# KiCad board EOutside.kicad_pcb (continued)
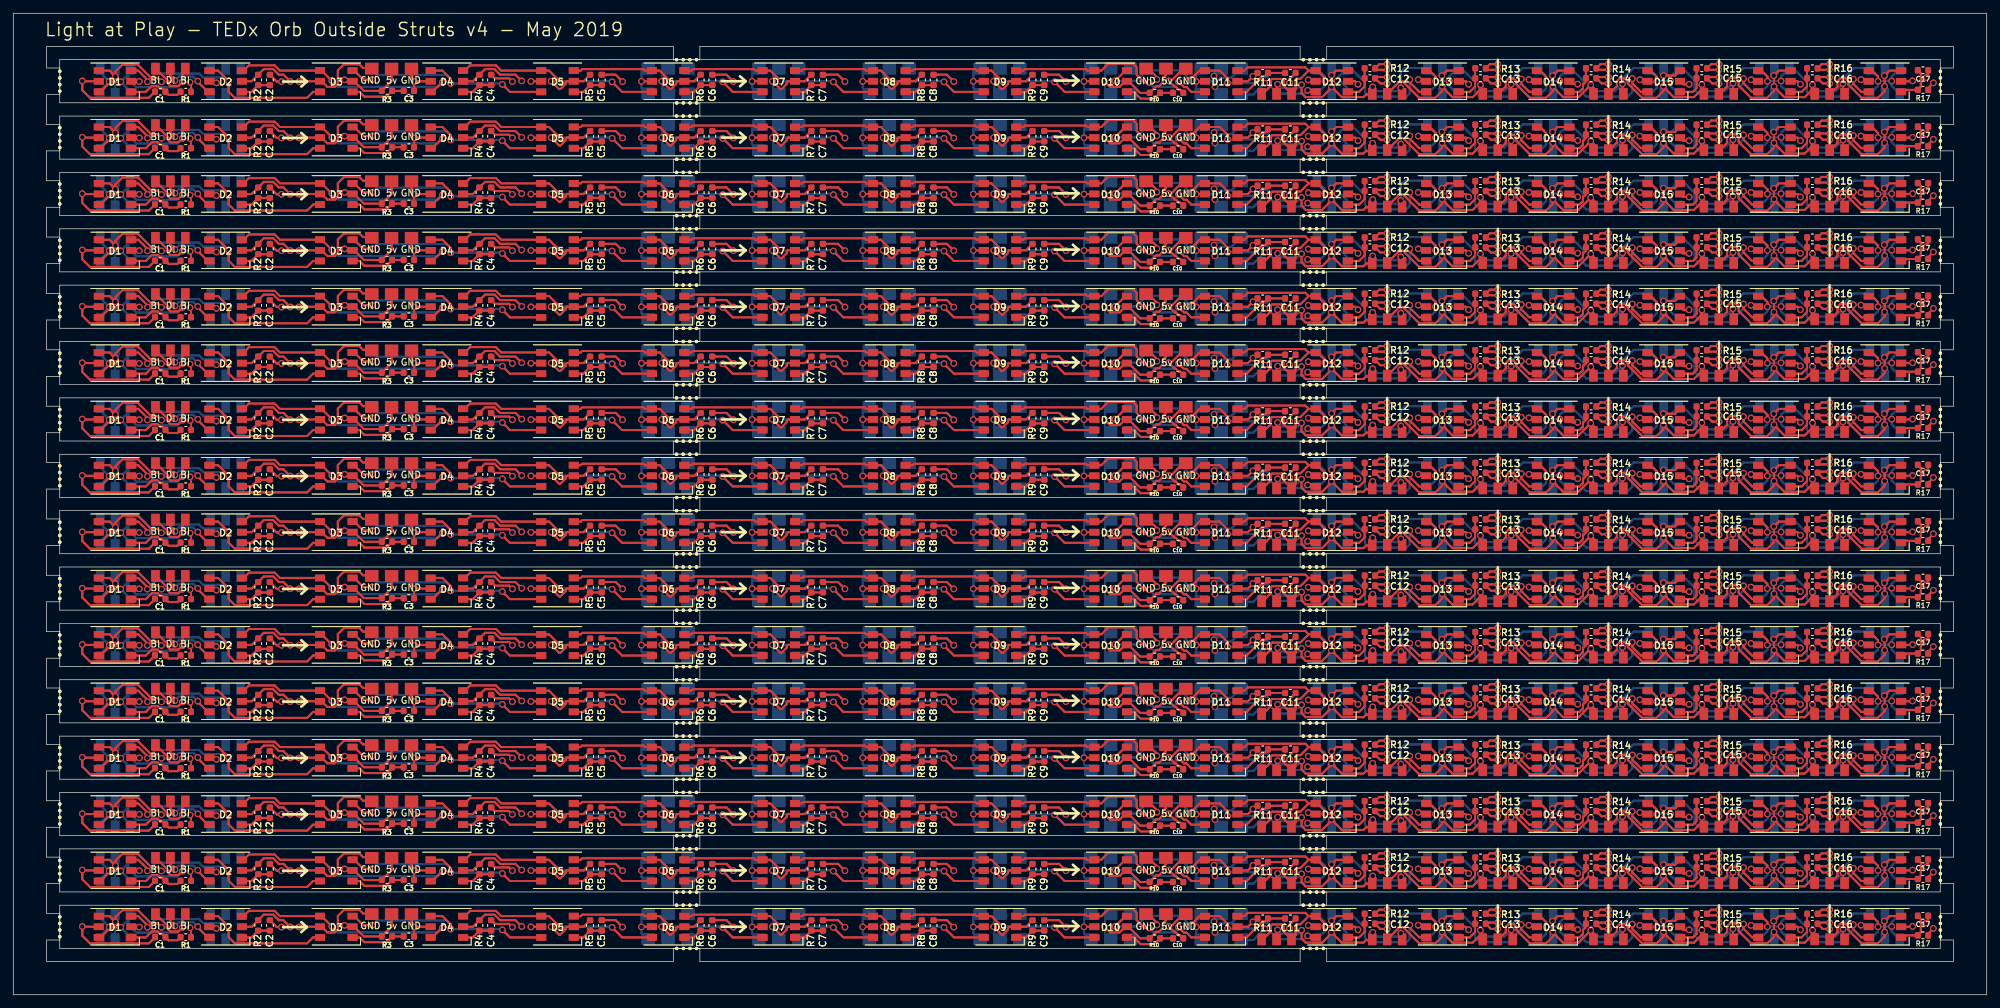
[diagram p0: board, top side]
## Routing (per net, layer and track width the routed paths; a pad name or vN(x,y) marks a point on that pad's centre or on a via; arc(x,y) is an arc through that point) (continued)
Net-(D7-Pad3): length 958.2
  Top w0.3: 140.73,137.15 v1(140.23,137.65) 140.73,137.15 ; 140.73,137.15 141.73,136.15 ; 140.73,137.15 141.73,136.15 ; 141.73,136.15 D9.6 141.73,136.15 ; 118.83,139.35 D7.3 118.83,139.35 ; 118.83,139.35 119.06,139.58 ; 118.83,139.35 119.06,139.58 ; 119.06,139.58 128.28,139.58 ; 119.06,139.58 128.28,139.58 ; 128.28,139.58 128.5,139.35 ; 128.28,139.58 128.5,139.35 ; 128.5,139.35 D8.4 ; 128.5,139.35 D8.4 ; D8.4 130.72,139.35 ; D8.4 130.72,139.35 ; 131.81,138.27 v1(132.31,137.77) 131.81,138.27 ; 131.81,138.27 130.72,139.35 ; 131.81,138.27 130.72,139.35 ; 140.73,128.65 v1(140.23,129.15) 140.73,128.65 ; 140.73,128.65 141.73,127.65 ; 140.73,128.65 141.73,127.65 ; 141.73,127.65 D9#2.6 141.73,127.65 ; 131.81,129.77 v1(132.31,129.27) 131.81,129.77 ; 131.81,129.77 130.72,130.85 ; 131.81,129.77 130.72,130.85 ; 130.72,130.85 D8#2.4 ; 130.72,130.85 D8#2.4 ; D8#2.4 128.5,130.85 ; D8#2.4 128.5,130.85 ; 118.83,130.85 D7#2.3 118.83,130.85 ; 118.83,130.85 119.06,131.08 ; 118.83,130.85 119.06,131.08 ; 119.06,131.08 128.28,131.08 ; 119.06,131.08 128.28,131.08 ; 128.28,131.08 128.5,130.85 ; 128.28,131.08 128.5,130.85 ; 140.73,120.15 v1(140.23,120.65) 140.73,120.15 ; 140.73,120.15 141.73,119.15 ; 140.73,120.15 141.73,119.15 ; 141.73,119.15 D9#3.6 141.73,119.15 ; 131.81,121.27 v1(132.31,120.77) 131.81,121.27 ; 131.81,121.27 130.72,122.35 ; 131.81,121.27 130.72,122.35 ; 130.72,122.35 D8#3.4 ; 130.72,122.35 D8#3.4 ; D8#3.4 128.5,122.35 ; D8#3.4 128.5,122.35 ; 118.83,122.35 D7#3.3 118.83,122.35 ; 118.83,122.35 119.06,122.58 ; 118.83,122.35 119.06,122.58 ; 119.06,122.58 128.28,122.58 ; 119.06,122.58 128.28,122.58 ; 128.28,122.58 128.5,122.35 ; 128.28,122.58 128.5,122.35 ; D8#4.4 128.5,113.85 ; D8#4.4 130.72,113.85 ; D8#4.4 128.5,113.85 ; D8#4.4 130.72,113.85 ; 128.5,113.85 128.28,114.08 ; 128.5,113.85 128.28,114.08 ; 128.28,114.08 119.06,114.08 ; 128.28,114.08 119.06,114.08 ; 119.06,114.08 118.83,113.85 ; 119.06,114.08 118.83,113.85 ; 118.83,113.85 D7#4.3 118.83,113.85 ; 130.72,113.85 131.81,112.77 ; 130.72,113.85 131.81,112.77 ; 131.81,112.77 v1(132.31,112.27) 131.81,112.77 ; 141.73,110.65 D9#4.6 141.73,110.65 ; 141.73,110.65 140.73,111.65 ; 141.73,110.65 140.73,111.65 ; 140.73,111.65 v1(140.23,112.15) 140.73,111.65 ; 140.73,103.15 v1(140.23,103.65) 140.73,103.15 ; 140.73,103.15 141.73,102.15 ; 140.73,103.15 141.73,102.15 ; 141.73,102.15 D9#11.6 141.73,102.15 ; 131.81,104.27 v1(132.31,103.77) 131.81,104.27 ; 131.81,104.27 130.72,105.35 ; 131.81,104.27 130.72,105.35 ; 130.72,105.35 D8#13.4 ; 130.72,105.35 D8#13.4 ; D8#13.4 128.5,105.35 ; D8#13.4 128.5,105.35 ; 118.83,105.35 D7#13.3 118.83,105.35 ; 118.83,105.35 119.06,105.58 ; 118.83,105.35 119.06,105.58 ; 119.06,105.58 128.28,105.58 ; 119.06,105.58 128.28,105.58 ; 128.28,105.58 128.5,105.35 ; 128.28,105.58 128.5,105.35 ; D8#15.4 128.5,96.85 ; D8#15.4 130.72,96.85 ; D8#15.4 128.5,96.85 ; D8#15.4 130.72,96.85 ; 128.5,96.85 128.28,97.08 ; 128.5,96.85 128.28,97.08 ; 128.28,97.08 119.06,97.08 ; 128.28,97.08 119.06,97.08 ; 119.06,97.08 118.83,96.85 ; 119.06,97.08 118.83,96.85 ; 118.83,96.85 D7#15.3 118.83,96.85 ; 130.72,96.85 131.81,95.77 ; 130.72,96.85 131.81,95.77 ; 131.81,95.77 v1(132.31,95.27) 131.81,95.77 ; 141.73,93.65 D9#14.6 141.73,93.65 ; 141.73,93.65 140.73,94.65 ; 141.73,93.65 140.73,94.65 ; 140.73,94.65 v1(140.23,95.15) 140.73,94.65 ; D8#10.4 128.5,79.85 ; D8#10.4 130.72,79.85 ; D8#10.4 128.5,79.85 ; D8#10.4 130.72,79.85 ; 128.5,79.85 128.28,80.08 ; 128.5,79.85 128.28,80.08 ; 128.28,80.08 119.06,80.08 ; 128.28,80.08 119.06,80.08 ; 119.06,80.08 118.83,79.85 ; 119.06,80.08 118.83,79.85 ; 118.83,79.85 D7#10.3 118.83,79.85 ; 130.72,79.85 131.81,78.77 ; 130.72,79.85 131.81,78.77 ; 131.81,78.77 v1(132.31,78.27) 131.81,78.77 ; 141.73,76.65 D9#12.6 141.73,76.65 ; 141.73,76.65 140.73,77.65 ; 141.73,76.65 140.73,77.65 ; 140.73,77.65 v1(140.23,78.15) 140.73,77.65 ; 140.73,86.15 v1(140.23,86.65) 140.73,86.15 ; 140.73,86.15 141.73,85.15 ; 140.73,86.15 141.73,85.15 ; 141.73,85.15 D9#9.6 141.73,85.15 ; 131.81,87.27 v1(132.31,86.77) 131.81,87.27 ; 131.81,87.27 130.72,88.35 ; 131.81,87.27 130.72,88.35 ; 130.72,88.35 D8#9.4 ; 130.72,88.35 D8#9.4 ; D8#9.4 128.5,88.35 ; D8#9.4 128.5,88.35 ; 118.83,88.35 D7#9.3 118.83,88.35 ; 118.83,88.35 119.06,88.58 ; 118.83,88.35 119.06,88.58 ; 119.06,88.58 128.28,88.58 ; 119.06,88.58 128.28,88.58 ; 128.28,88.58 128.5,88.35 ; 128.28,88.58 128.5,88.35 ; 140.73,69.15 v1(140.23,69.65) 140.73,69.15 ; 140.73,69.15 141.73,68.15 ; 140.73,69.15 141.73,68.15 ; 141.73,68.15 D9#17.6 141.73,68.15 ; 131.81,70.27 v1(132.31,69.77) 131.81,70.27 ; 131.81,70.27 130.72,71.35 ; 131.81,70.27 130.72,71.35 ; 130.72,71.35 D8#17.4 ; 130.72,71.35 D8#17.4 ; D8#17.4 128.5,71.35 ; D8#17.4 128.5,71.35 ; 118.83,71.35 D7#17.3 118.83,71.35 ; 118.83,71.35 119.06,71.58 ; 118.83,71.35 119.06,71.58 ; 119.06,71.58 128.28,71.58 ; 119.06,71.58 128.28,71.58 ; 128.28,71.58 128.5,71.35 ; 128.28,71.58 128.5,71.35 ; D8#21.4 128.5,62.85 ; D8#21.4 130.72,62.85 ; D8#21.4 128.5,62.85 ; D8#21.4 130.72,62.85 ; 128.5,62.85 128.28,63.08 ; 128.5,62.85 128.28,63.08 ; 128.28,63.08 119.06,63.08 ; 128.28,63.08 119.06,63.08 ; 119.06,63.08 118.83,62.85 ; 119.06,63.08 118.83,62.85 ; 118.83,62.85 D7#21.3 118.83,62.85 ; 130.72,62.85 131.81,61.77 ; 130.72,62.85 131.81,61.77 ; 131.81,61.77 v1(132.31,61.27) 131.81,61.77 ; 141.73,59.65 D9#21.6 141.73,59.65 ; 141.73,59.65 140.73,60.65 ; 141.73,59.65 140.73,60.65 ; 140.73,60.65 v1(140.23,61.15) 140.73,60.65 ; D8#19.4 128.5,45.85 ; D8#19.4 130.72,45.85 ; D8#19.4 128.5,45.85 ; D8#19.4 130.72,45.85 ; 128.5,45.85 128.28,46.08 ; 128.5,45.85 128.28,46.08 ; 128.28,46.08 119.06,46.08 ; 128.28,46.08 119.06,46.08 ; 119.06,46.08 118.83,45.85 ; 119.06,46.08 118.83,45.85 ; 118.83,45.85 D7#18.3 118.83,45.85 ; 130.72,45.85 131.81,44.77 ; 130.72,45.85 131.81,44.77 ; 131.81,44.77 v1(132.31,44.27) 131.81,44.77 ; 141.73,42.65 D9#19.6 141.73,42.65 ; 141.73,42.65 140.73,43.65 ; 141.73,42.65 140.73,43.65 ; 140.73,43.65 v1(140.23,44.15) 140.73,43.65 ; 140.73,52.15 v1(140.23,52.65) 140.73,52.15 ; 140.73,52.15 141.73,51.15 ; 140.73,52.15 141.73,51.15 ; 141.73,51.15 D9#18.6 141.73,51.15 ; 131.81,53.27 v1(132.31,52.77) 131.81,53.27 ; 131.81,53.27 130.72,54.35 ; 131.81,53.27 130.72,54.35 ; 130.72,54.35 D8#18.4 ; 130.72,54.35 D8#18.4 ; D8#18.4 128.5,54.35 ; D8#18.4 128.5,54.35 ; 118.83,54.35 D7#22.3 118.83,54.35 ; 118.83,54.35 119.06,54.58 ; 118.83,54.35 119.06,54.58 ; 119.06,54.58 128.28,54.58 ; 119.06,54.58 128.28,54.58 ; 128.28,54.58 128.5,54.35 ; 128.28,54.58 128.5,54.35 ; D8#25.4 128.5,28.85 ; D8#25.4 130.72,28.85 ; D8#25.4 128.5,28.85 ; D8#25.4 130.72,28.85 ; 128.5,28.85 128.28,29.08 ; 128.5,28.85 128.28,29.08 ; 128.28,29.08 119.06,29.08 ; 128.28,29.08 119.06,29.08 ; 119.06,29.08 118.83,28.85 ; 119.06,29.08 118.83,28.85 ; 118.83,28.85 D7#28.3 118.83,28.85 ; 130.72,28.85 131.81,27.77 ; 130.72,28.85 131.81,27.77 ; 131.81,27.77 v1(132.31,27.27) 131.81,27.77 ; 141.73,25.65 D9#28.6 141.73,25.65 ; 141.73,25.65 140.73,26.65 ; 141.73,25.65 140.73,26.65 ; 140.73,26.65 v1(140.23,27.15) 140.73,26.65 ; 140.73,35.15 v1(140.23,35.65) 140.73,35.15 ; 140.73,35.15 141.73,34.15 ; 140.73,35.15 141.73,34.15 ; 141.73,34.15 D9#25.6 141.73,34.15 ; 131.81,36.27 v1(132.31,35.77) 131.81,36.27 ; 131.81,36.27 130.72,37.35 ; 131.81,36.27 130.72,37.35 ; 130.72,37.35 D8#27.4 ; 130.72,37.35 D8#27.4 ; D8#27.4 128.5,37.35 ; D8#27.4 128.5,37.35 ; 118.83,37.35 D7#25.3 118.83,37.35 ; 118.83,37.35 119.06,37.58 ; 118.83,37.35 119.06,37.58 ; 119.06,37.58 128.28,37.58 ; 119.06,37.58 128.28,37.58 ; 128.28,37.58 128.5,37.35 ; 128.28,37.58 128.5,37.35 ; 140.73,18.15 v1(140.23,18.65) 140.73,18.15 ; 140.73,18.15 141.73,17.15 ; 140.73,18.15 141.73,17.15 ; 141.73,17.15 D9#29.6 141.73,17.15 ; 131.81,19.27 v1(132.31,18.77) 131.81,19.27 ; 131.81,19.27 130.72,20.35 ; 131.81,19.27 130.72,20.35 ; 130.72,20.35 D8#26.4 ; 130.72,20.35 D8#26.4 ; D8#26.4 128.5,20.35 ; D8#26.4 128.5,20.35 ; 118.83,20.35 D7#29.3 118.83,20.35 ; 118.83,20.35 119.06,20.58 ; 118.83,20.35 119.06,20.58 ; 119.06,20.58 128.28,20.58 ; 119.06,20.58 128.28,20.58 ; 128.28,20.58 128.5,20.35 ; 128.28,20.58 128.5,20.35 ; D8#28.4 128.5,11.85 ; D8#28.4 130.72,11.85 ; D8#28.4 128.5,11.85 ; D8#28.4 130.72,11.85 ; 128.5,11.85 128.28,12.08 ; 128.5,11.85 128.28,12.08 ; 128.28,12.08 119.06,12.08 ; 128.28,12.08 119.06,12.08 ; 119.06,12.08 118.83,11.85 ; 119.06,12.08 118.83,11.85 ; 118.83,11.85 D7#27.3 118.83,11.85 ; 130.72,11.85 131.81,10.77 ; 130.72,11.85 131.81,10.77 ; 131.81,10.77 v1(132.31,10.27) 131.81,10.77 ; 141.73,8.65 D9#26.6 141.73,8.65 ; 141.73,8.65 140.73,9.65 ; 141.73,8.65 140.73,9.65 ; 140.73,9.65 v1(140.23,10.15) 140.73,9.65
  Bottom w0.3: 140.11,137.77 v1(140.23,137.65) 140.11,137.77 ; 140.11,137.77 v1(132.31,137.77) 140.11,137.77 ; 140.11,129.27 v1(140.23,129.15) 140.11,129.27 ; 140.11,129.27 v1(132.31,129.27) 140.11,129.27 ; 140.11,120.77 v1(140.23,120.65) 140.11,120.77 ; 140.11,120.77 v1(132.31,120.77) 140.11,120.77 ; 140.11,112.27 v1(132.31,112.27) 140.11,112.27 ; 140.11,112.27 v1(140.23,112.15) 140.11,112.27 ; 140.11,103.77 v1(140.23,103.65) 140.11,103.77 ; 140.11,103.77 v1(132.31,103.77) 140.11,103.77 ; 140.11,95.27 v1(132.31,95.27) 140.11,95.27 ; 140.11,95.27 v1(140.23,95.15) 140.11,95.27 ; 140.11,78.27 v1(132.31,78.27) 140.11,78.27 ; 140.11,78.27 v1(140.23,78.15) 140.11,78.27 ; 140.11,86.77 v1(140.23,86.65) 140.11,86.77 ; 140.11,86.77 v1(132.31,86.77) 140.11,86.77 ; 140.11,69.77 v1(140.23,69.65) 140.11,69.77 ; 140.11,69.77 v1(132.31,69.77) 140.11,69.77 ; 140.11,61.27 v1(132.31,61.27) 140.11,61.27 ; 140.11,61.27 v1(140.23,61.15) 140.11,61.27 ; 140.11,44.27 v1(132.31,44.27) 140.11,44.27 ; 140.11,44.27 v1(140.23,44.15) 140.11,44.27 ; 140.11,52.77 v1(140.23,52.65) 140.11,52.77 ; 140.11,52.77 v1(132.31,52.77) 140.11,52.77 ; 140.11,27.27 v1(132.31,27.27) 140.11,27.27 ; 140.11,27.27 v1(140.23,27.15) 140.11,27.27 ; 140.11,35.77 v1(140.23,35.65) 140.11,35.77 ; 140.11,35.77 v1(132.31,35.77) 140.11,35.77 ; 140.11,18.77 v1(140.23,18.65) 140.11,18.77 ; 140.11,18.77 v1(132.31,18.77) 140.11,18.77 ; 140.11,10.27 v1(132.31,10.27) 140.11,10.27 ; 140.11,10.27 v1(140.23,10.15) 140.11,10.27
Net-(D10-Pad3): length 1234.1
  Top w0.3: 167.55,130.85 D10#2.3 167.55,130.85 ; 167.55,130.85 v1(166,129.3) 167.55,130.85 ; 195.17,127.65 195.02,127.79 ; 195.17,127.65 D12#2.6 195.17,127.65 ; 195.17,127.65 195.02,127.79 ; 195.02,127.79 v1(195.02,127.88) 195.02,127.79 ; 177.76,129.88 177.42,129.88 ; 177.76,129.88 178.74,130.85 ; 177.76,129.88 178.74,130.85 ; 177.76,129.88 177.42,129.88 ; 177.42,129.88 v1(176.82,129.27) 177.42,129.88 ; 178.74,130.85 D11#2.4 ; 178.74,130.85 D11#2.4 ; D11#2.4 181.78,130.85 ; D11#2.4 181.78,130.85 ; 181.78,130.85 182.95,129.68 ; 181.78,130.85 182.95,129.68 ; 182.95,129.68 v1(182.95,128.97) 182.95,129.68 ; 167.55,122.35 D10#3.3 167.55,122.35 ; 167.55,122.35 v1(166,120.8) 167.55,122.35 ; 195.17,119.15 195.02,119.29 ; 195.17,119.15 D12#3.6 195.17,119.15 ; 195.17,119.15 195.02,119.29 ; 195.02,119.29 v1(195.02,119.38) 195.02,119.29 ; 177.76,121.38 177.42,121.38 ; 177.76,121.38 178.74,122.35 ; 177.76,121.38 177.42,121.38 ; 177.76,121.38 178.74,122.35 ; 177.42,121.38 v1(176.82,120.77) 177.42,121.38 ; 178.74,122.35 D11#3.4 ; 178.74,122.35 D11#3.4 ; D11#3.4 181.78,122.35 ; D11#3.4 181.78,122.35 ; 181.78,122.35 182.95,121.18 ; 181.78,122.35 182.95,121.18 ; 182.95,121.18 v1(182.95,120.47) 182.95,121.18 ; 182.95,112.68 v1(182.95,111.97) 182.95,112.68 ; 182.95,112.68 181.78,113.85 ; 182.95,112.68 181.78,113.85 ; D11#4.4 181.78,113.85 ; D11#4.4 178.74,113.85 ; D11#4.4 181.78,113.85 ; D11#4.4 178.74,113.85 ; 177.42,112.88 v1(176.82,112.27) 177.42,112.88 ; 177.42,112.88 177.76,112.88 ; 177.42,112.88 177.76,112.88 ; 178.74,113.85 177.76,112.88 ; 178.74,113.85 177.76,112.88 ; 195.17,110.65 D12#4.6 195.17,110.65 ; 195.17,110.65 195.02,110.79 ; 195.17,110.65 195.02,110.79 ; 195.02,110.79 v1(195.02,110.88) 195.02,110.79 ; 167.55,113.85 v1(166,112.3) 167.55,113.85 ; 167.55,113.85 D10#4.3 167.55,113.85 ; 167.55,139.35 D10.3 167.55,139.35 ; 167.55,139.35 v1(166,137.8) 167.55,139.35 ; 195.17,136.15 195.02,136.29 ; 195.17,136.15 D12.6 195.17,136.15 ; 195.17,136.15 195.02,136.29 ; 195.02,136.29 v1(195.02,136.38) 195.02,136.29 ; 177.76,138.38 177.42,138.38 ; 177.76,138.38 178.74,139.35 ; 177.76,138.38 177.42,138.38 ; 177.76,138.38 178.74,139.35 ; 177.42,138.38 v1(176.82,137.77) 177.42,138.38 ; 178.74,139.35 D11.4 ; 178.74,139.35 D11.4 ; D11.4 181.78,139.35 ; D11.4 181.78,139.35 ; 181.78,139.35 182.95,138.18 ; 181.78,139.35 182.95,138.18 ; 182.95,138.18 v1(182.95,137.47) 182.95,138.18 ; 167.55,105.35 D10#13.3 167.55,105.35 ; 167.55,105.35 v1(166,103.8) 167.55,105.35 ; 195.17,102.15 195.02,102.29 ; 195.17,102.15 D12#11.6 195.17,102.15 ; 195.17,102.15 195.02,102.29 ; 195.02,102.29 v1(195.02,102.38) 195.02,102.29 ; 177.76,104.38 177.42,104.38 ; 177.76,104.38 178.74,105.35 ; 177.76,104.38 177.42,104.38 ; 177.76,104.38 178.74,105.35 ; 177.42,104.38 v1(176.82,103.77) 177.42,104.38 ; 178.74,105.35 D11#11.4 ; 178.74,105.35 D11#11.4 ; D11#11.4 181.78,105.35 ; D11#11.4 181.78,105.35 ; 181.78,105.35 182.95,104.18 ; 181.78,105.35 182.95,104.18 ; 182.95,104.18 v1(182.95,103.47) 182.95,104.18 ; 182.95,95.68 v1(182.95,94.97) 182.95,95.68 ; 182.95,95.68 181.78,96.85 ; 182.95,95.68 181.78,96.85 ; D11#15.4 181.78,96.85 ; D11#15.4 178.74,96.85 ; D11#15.4 181.78,96.85 ; D11#15.4 178.74,96.85 ; 177.42,95.88 v1(176.82,95.27) 177.42,95.88 ; 177.42,95.88 177.76,95.88 ; 177.42,95.88 177.76,95.88 ; 178.74,96.85 177.76,95.88 ; 178.74,96.85 177.76,95.88 ; 195.17,93.65 D12#15.6 195.17,93.65 ; 195.17,93.65 195.02,93.79 ; 195.17,93.65 195.02,93.79 ; 195.02,93.79 v1(195.02,93.88) 195.02,93.79 ; 167.55,96.85 v1(166,95.3) 167.55,96.85 ; 167.55,96.85 D10#15.3 167.55,96.85 ; 195.17,76.65 D12#13.6 195.17,76.65 ; 195.17,76.65 195.02,76.79 ; 195.17,76.65 195.02,76.79 ; 195.02,76.79 v1(195.02,76.88) 195.02,76.79 ; 167.55,79.85 v1(166,78.3) 167.55,79.85 ; 167.55,79.85 D10#10.3 167.55,79.85 ; 182.95,78.68 v1(182.95,77.97) 182.95,78.68 ; 182.95,78.68 181.78,79.85 ; 182.95,78.68 181.78,79.85 ; D11#13.4 181.78,79.85 ; D11#13.4 178.74,79.85 ; D11#13.4 181.78,79.85 ; D11#13.4 178.74,79.85 ; 177.42,78.88 v1(176.82,78.27) 177.42,78.88 ; 177.42,78.88 177.76,78.88 ; 177.42,78.88 177.76,78.88 ; 178.74,79.85 177.76,78.88 ; 178.74,79.85 177.76,78.88 ; 177.76,87.38 177.42,87.38 ; 177.76,87.38 178.74,88.35 ; 177.76,87.38 178.74,88.35 ; 177.76,87.38 177.42,87.38 ; 177.42,87.38 v1(176.82,86.77) 177.42,87.38 ; 178.74,88.35 D11#9.4 ; 178.74,88.35 D11#9.4 ; D11#9.4 181.78,88.35 ; D11#9.4 181.78,88.35 ; 181.78,88.35 182.95,87.18 ; 181.78,88.35 182.95,87.18 ; 182.95,87.18 v1(182.95,86.47) 182.95,87.18 ; 167.55,88.35 D10#9.3 167.55,88.35 ; 167.55,88.35 v1(166,86.8) 167.55,88.35 ; 195.17,85.15 195.02,85.29 ; 195.17,85.15 D12#9.6 195.17,85.15 ; 195.17,85.15 195.02,85.29 ; 195.02,85.29 v1(195.02,85.38) 195.02,85.29 ; 177.76,70.38 177.42,70.38 ; 177.76,70.38 178.74,71.35 ; 177.76,70.38 177.42,70.38 ; 177.76,70.38 178.74,71.35 ; 177.42,70.38 v1(176.82,69.77) 177.42,70.38 ; 178.74,71.35 D11#17.4 ; 178.74,71.35 D11#17.4 ; D11#17.4 181.78,71.35 ; D11#17.4 181.78,71.35 ; 181.78,71.35 182.95,70.18 ; 181.78,71.35 182.95,70.18 ; 182.95,70.18 v1(182.95,69.47) 182.95,70.18 ; 167.55,71.35 D10#17.3 167.55,71.35 ; 167.55,71.35 v1(166,69.8) 167.55,71.35 ; 195.17,68.15 195.02,68.29 ; 195.17,68.15 D12#17.6 195.17,68.15 ; 195.17,68.15 195.02,68.29 ; 195.02,68.29 v1(195.02,68.38) 195.02,68.29 ; 182.95,61.68 v1(182.95,60.97) 182.95,61.68 ; 182.95,61.68 181.78,62.85 ; 182.95,61.68 181.78,62.85 ; 195.17,59.65 D12#21.6 195.17,59.65 ; 195.17,59.65 195.02,59.79 ; 195.17,59.65 195.02,59.79 ; 195.02,59.79 v1(195.02,59.88) 195.02,59.79 ; 167.55,62.85 v1(166,61.3) 167.55,62.85 ; 167.55,62.85 D10#22.3 167.55,62.85 ; D11#19.4 181.78,62.85 ; D11#19.4 178.74,62.85 ; D11#19.4 181.78,62.85 ; D11#19.4 178.74,62.85 ; 177.42,61.88 v1(176.82,61.27) 177.42,61.88 ; 177.42,61.88 177.76,61.88 ; 177.42,61.88 177.76,61.88 ; 178.74,62.85 177.76,61.88 ; 178.74,62.85 177.76,61.88 ; 195.17,42.65 D12#23.6 195.17,42.65 ; 195.17,42.65 195.02,42.79 ; 195.17,42.65 195.02,42.79 ; 195.02,42.79 v1(195.02,42.88) 195.02,42.79 ; 167.55,45.85 v1(166,44.3) 167.55,45.85 ; 167.55,45.85 D10#19.3 167.55,45.85 ; 182.95,44.68 v1(182.95,43.97) 182.95,44.68 ; 182.95,44.68 181.78,45.85 ; 182.95,44.68 181.78,45.85 ; D11#21.4 181.78,45.85 ; D11#21.4 178.74,45.85 ; D11#21.4 181.78,45.85 ; D11#21.4 178.74,45.85 ; 177.42,44.88 v1(176.82,44.27) 177.42,44.88 ; 177.42,44.88 177.76,44.88 ; 177.42,44.88 177.76,44.88 ; 178.74,45.85 177.76,44.88 ; 178.74,45.85 177.76,44.88 ; 177.76,53.38 177.42,53.38 ; 177.76,53.38 178.74,54.35 ; 177.76,53.38 178.74,54.35 ; 177.76,53.38 177.42,53.38 ; 177.42,53.38 v1(176.82,52.77) 177.42,53.38 ; 178.74,54.35 D11#20.4 ; 178.74,54.35 D11#20.4 ; D11#20.4 181.78,54.35 ; D11#20.4 181.78,54.35 ; 181.78,54.35 182.95,53.18 ; 181.78,54.35 182.95,53.18 ; 182.95,53.18 v1(182.95,52.47) 182.95,53.18 ; 167.55,54.35 D10#18.3 167.55,54.35 ; 167.55,54.35 v1(166,52.8) 167.55,54.35 ; 195.17,51.15 195.02,51.29 ; 195.17,51.15 D12#18.6 195.17,51.15 ; 195.17,51.15 195.02,51.29 ; 195.02,51.29 v1(195.02,51.38) 195.02,51.29 ; D11#27.4 181.78,28.85 ; D11#27.4 178.74,28.85 ; D11#27.4 181.78,28.85 ; D11#27.4 178.74,28.85 ; 181.78,28.85 182.95,27.68 ; 181.78,28.85 182.95,27.68 ; 182.95,27.68 v1(182.95,26.97) 182.95,27.68 ; 177.42,27.88 v1(176.82,27.27) 177.42,27.88 ; 177.42,27.88 177.76,27.88 ; 177.42,27.88 177.76,27.88 ; 178.74,28.85 177.76,27.88 ; 178.74,28.85 177.76,27.88 ; 195.17,25.65 D12#28.6 195.17,25.65 ; 195.17,25.65 195.02,25.79 ; 195.17,25.65 195.02,25.79 ; 195.02,25.79 v1(195.02,25.88) 195.02,25.79 ; 167.55,28.85 v1(166,27.3) 167.55,28.85 ; 167.55,28.85 D10#29.3 167.55,28.85 ; 195.17,34.15 195.02,34.29 ; 195.17,34.15 D12#27.6 195.17,34.15 ; 195.17,34.15 195.02,34.29 ; 195.02,34.29 v1(195.02,34.38) 195.02,34.29 ; 181.78,37.35 182.95,36.18 ; 181.78,37.35 D11#25.4 ; 181.78,37.35 182.95,36.18 ; 181.78,37.35 D11#25.4 ; 182.95,36.18 v1(182.95,35.47) 182.95,36.18 ; D11#25.4 178.74,37.35 ; D11#25.4 178.74,37.35 ; 167.55,37.35 D10#25.3 167.55,37.35 ; 167.55,37.35 v1(166,35.8) 167.55,37.35 ; 177.76,36.38 177.42,36.38 ; 177.76,36.38 178.74,37.35 ; 177.76,36.38 177.42,36.38 ; 177.76,36.38 178.74,37.35 ; 177.42,36.38 v1(176.82,35.77) 177.42,36.38 ; 182.95,10.68 v1(182.95,9.97) 182.95,10.68 ; 182.95,10.68 181.78,11.85 ; 182.95,10.68 181.78,11.85 ; D11#29.4 181.78,11.85 ; D11#29.4 178.74,11.85 ; D11#29.4 181.78,11.85 ; D11#29.4 178.74,11.85 ; 177.42,10.88 v1(176.82,10.27) 177.42,10.88 ; 177.42,10.88 177.76,10.88 ; 177.42,10.88 177.76,10.88 ; 178.74,11.85 177.76,10.88 ; 178.74,11.85 177.76,10.88 ; 177.76,19.38 177.42,19.38 ; 177.76,19.38 178.74,20.35 ; 177.76,19.38 178.74,20.35 ; 177.76,19.38 177.42,19.38 ; 177.42,19.38 v1(176.82,18.77) 177.42,19.38 ; 178.74,20.35 D11#28.4 ; 178.74,20.35 D11#28.4 ; D11#28.4 181.78,20.35 ; D11#28.4 181.78,20.35 ; 181.78,20.35 182.95,19.18 ; 181.78,20.35 182.95,19.18 ; 182.95,19.18 v1(182.95,18.47) 182.95,19.18 ; 167.55,20.35 D10#30.3 167.55,20.35 ; 167.55,20.35 v1(166,18.8) 167.55,20.35 ; 195.17,17.15 195.02,17.29 ; 195.17,17.15 D12#25.6 195.17,17.15 ; 195.17,17.15 195.02,17.29 ; 195.02,17.29 v1(195.02,17.38) 195.02,17.29 ; 195.17,8.65 D12#31.6 195.17,8.65 ; 195.17,8.65 195.02,8.79 ; 195.17,8.65 195.02,8.79 ; 195.02,8.79 v1(195.02,8.88) 195.02,8.79 ; 167.55,11.85 v1(166,10.3) 167.55,11.85 ; 167.55,11.85 D10#26.3 167.55,11.85
  Bottom w0.3: 168.9,129.3 v1(166,129.3) 168.9,129.3 ; 168.9,129.3 169.2,129.3 ; 168.9,129.3 169.2,129.3 ; 176.82,129.98 v1(176.82,129.27) 176.82,129.98 ; 176.82,129.98 175.9,130.9 ; 176.82,129.98 175.9,130.9 ; 170.8,130.9 169.2,129.3 ; 170.8,130.9 175.9,130.9 ; 170.8,130.9 175.9,130.9 ; 170.8,130.9 169.2,129.3 ; 194.52,127.38 v1(195.02,127.88) 194.52,127.38 ; 194.52,127.38 190.52,127.38 ; 194.52,127.38 190.52,127.38 ; 190.52,127.38 189.44,128.46 ; 190.52,127.38 189.44,128.46 ; 189.44,128.46 189.44,129.39 ; 189.44,128.46 189.44,129.39 ; 189.44,129.39 188.93,129.9 ; 189.44,129.39 188.93,129.9 ; 188.93,129.9 188.07,129.9 ; 188.93,129.9 188.07,129.9 ; 188.07,129.9 187.14,128.97 ; 188.07,129.9 187.14,128.97 ; 187.14,128.97 183.66,128.97 ; 187.14,128.97 183.66,128.97 ; 183.66,128.97 v1(182.95,128.97) 183.66,128.97 ; 168.9,120.8 v1(166,120.8) 168.9,120.8 ; 168.9,120.8 169.2,120.8 ; 168.9,120.8 169.2,120.8 ; 176.82,121.48 v1(176.82,120.77) 176.82,121.48 ; 176.82,121.48 175.9,122.4 ; 176.82,121.48 175.9,122.4 ; 170.8,122.4 169.2,120.8 ; 170.8,122.4 175.9,122.4 ; 170.8,122.4 169.2,120.8 ; 170.8,122.4 175.9,122.4 ; 194.52,118.88 v1(195.02,119.38) 194.52,118.88 ; 194.52,118.88 190.52,118.88 ; 194.52,118.88 190.52,118.88 ; 190.52,118.88 189.44,119.96 ; 190.52,118.88 189.44,119.96 ; 189.44,119.96 189.44,120.89 ; 189.44,119.96 189.44,120.89 ; 189.44,120.89 188.93,121.4 ; 189.44,120.89 188.93,121.4 ; 188.93,121.4 188.07,121.4 ; 188.93,121.4 188.07,121.4 ; 188.07,121.4 187.14,120.47 ; 188.07,121.4 187.14,120.47 ; 187.14,120.47 183.66,120.47 ; 187.14,120.47 183.66,120.47 ; 183.66,120.47 v1(182.95,120.47) 183.66,120.47 ; 183.66,111.97 v1(182.95,111.97) 183.66,111.97 ; 183.66,111.97 187.14,111.97 ; 183.66,111.97 187.14,111.97 ; 187.14,111.97 188.07,112.9 ; 187.14,111.97 188.07,112.9 ; 188.07,112.9 188.93,112.9 ; 188.07,112.9 188.93,112.9 ; 189.44,112.39 188.93,112.9 ; 189.44,112.39 189.44,111.46 ; 189.44,112.39 188.93,112.9 ; 189.44,112.39 189.44,111.46 ; 189.44,111.46 190.52,110.38 ; 189.44,111.46 190.52,110.38 ; 194.52,110.38 190.52,110.38 ; 194.52,110.38 v1(195.02,110.88) 194.52,110.38 ; 194.52,110.38 190.52,110.38 ; 176.82,112.98 175.9,113.9 ; 176.82,112.98 v1(176.82,112.27) 176.82,112.98 ; 176.82,112.98 175.9,113.9 ; 175.9,113.9 170.8,113.9 ; 175.9,113.9 170.8,113.9 ; 170.8,113.9 169.2,112.3 ; 170.8,113.9 169.2,112.3 ; 169.2,112.3 168.9,112.3 ; 169.2,112.3 168.9,112.3 ; 168.9,112.3 v1(166,112.3) 168.9,112.3 ; 168.9,137.8 v1(166,137.8) 168.9,137.8 ; 168.9,137.8 169.2,137.8 ; 168.9,137.8 169.2,137.8 ; 176.82,138.48 v1(176.82,137.77) 176.82,138.48 ; 176.82,138.48 175.9,139.4 ; 176.82,138.48 175.9,139.4 ; 170.8,139.4 169.2,137.8 ; 170.8,139.4 175.9,139.4 ; 170.8,139.4 175.9,139.4 ; 170.8,139.4 169.2,137.8 ; 194.52,135.88 v1(195.02,136.38) 194.52,135.88 ; 194.52,135.88 190.52,135.88 ; 194.52,135.88 190.52,135.88 ; 190.52,135.88 189.44,136.96 ; 190.52,135.88 189.44,136.96 ; 189.44,136.96 189.44,137.89 ; 189.44,136.96 189.44,137.89 ; 189.44,137.89 188.93,138.4 ; 189.44,137.89 188.93,138.4 ; 188.93,138.4 188.07,138.4 ; 188.93,138.4 188.07,138.4 ; 188.07,138.4 187.14,137.47 ; 188.07,138.4 187.14,137.47 ; 187.14,137.47 183.66,137.47 ; 187.14,137.47 183.66,137.47 ; 183.66,137.47 v1(182.95,137.47) 183.66,137.47 ; 168.9,103.8 v1(166,103.8) 168.9,103.8 ; 168.9,103.8 169.2,103.8 ; 168.9,103.8 169.2,103.8 ; 176.82,104.48 v1(176.82,103.77) 176.82,104.48 ; 176.82,104.48 175.9,105.4 ; 176.82,104.48 175.9,105.4 ; 170.8,105.4 169.2,103.8 ; 170.8,105.4 175.9,105.4 ; 170.8,105.4 169.2,103.8 ; 170.8,105.4 175.9,105.4 ; 194.52,101.88 v1(195.02,102.38) 194.52,101.88 ; 194.52,101.88 190.52,101.88 ; 194.52,101.88 190.52,101.88 ; 190.52,101.88 189.44,102.96 ; 190.52,101.88 189.44,102.96 ; 189.44,102.96 189.44,103.89 ; 189.44,102.96 189.44,103.89 ; 189.44,103.89 188.93,104.4 ; 189.44,103.89 188.93,104.4 ; 188.93,104.4 188.07,104.4 ; 188.93,104.4 188.07,104.4 ; 188.07,104.4 187.14,103.47 ; 188.07,104.4 187.14,103.47 ; 187.14,103.47 183.66,103.47 ; 187.14,103.47 183.66,103.47 ; 183.66,103.47 v1(182.95,103.47) 183.66,103.47 ; 183.66,94.97 v1(182.95,94.97) 183.66,94.97 ; 183.66,94.97 187.14,94.97 ; 183.66,94.97 187.14,94.97 ; 187.14,94.97 188.07,95.9 ; 187.14,94.97 188.07,95.9 ; 188.07,95.9 188.93,95.9 ; 188.07,95.9 188.93,95.9 ; 189.44,95.39 188.93,95.9 ; 189.44,95.39 189.44,94.46 ; 189.44,95.39 188.93,95.9 ; 189.44,95.39 189.44,94.46 ; 189.44,94.46 190.52,93.38 ; 189.44,94.46 190.52,93.38 ; 194.52,93.38 190.52,93.38 ; 194.52,93.38 v1(195.02,93.88) 194.52,93.38 ; 194.52,93.38 190.52,93.38 ; 176.82,95.98 175.9,96.9 ; 176.82,95.98 v1(176.82,95.27) 176.82,95.98 ; 176.82,95.98 175.9,96.9 ; 175.9,96.9 170.8,96.9 ; 175.9,96.9 170.8,96.9 ; 170.8,96.9 169.2,95.3 ; 170.8,96.9 169.2,95.3 ; 169.2,95.3 168.9,95.3 ; 169.2,95.3 168.9,95.3 ; 168.9,95.3 v1(166,95.3) 168.9,95.3 ; 176.82,78.98 175.9,79.9 ; 176.82,78.98 v1(176.82,78.27) 176.82,78.98 ; 176.82,78.98 175.9,79.9 ; 175.9,79.9 170.8,79.9 ; 175.9,79.9 170.8,79.9 ; 170.8,79.9 169.2,78.3 ; 170.8,79.9 169.2,78.3 ; 169.2,78.3 168.9,78.3 ; 169.2,78.3 168.9,78.3 ; 168.9,78.3 v1(166,78.3) 168.9,78.3 ; 183.66,77.97 v1(182.95,77.97) 183.66,77.97 ; 183.66,77.97 187.14,77.97 ; 183.66,77.97 187.14,77.97 ; 187.14,77.97 188.07,78.9 ; 187.14,77.97 188.07,78.9 ; 188.07,78.9 188.93,78.9 ; 188.07,78.9 188.93,78.9 ; 189.44,78.39 188.93,78.9 ; 189.44,78.39 189.44,77.46 ; 189.44,78.39 188.93,78.9 ; 189.44,78.39 189.44,77.46 ; 189.44,77.46 190.52,76.38 ; 189.44,77.46 190.52,76.38 ; 194.52,76.38 190.52,76.38 ; 194.52,76.38 v1(195.02,76.88) 194.52,76.38 ; 194.52,76.38 190.52,76.38 ; 194.52,84.88 v1(195.02,85.38) 194.52,84.88 ; 194.52,84.88 190.52,84.88 ; 194.52,84.88 190.52,84.88 ; 190.52,84.88 189.44,85.96 ; 190.52,84.88 189.44,85.96 ; 189.44,85.96 189.44,86.89 ; 189.44,85.96 189.44,86.89 ; 189.44,86.89 188.93,87.4 ; 189.44,86.89 188.93,87.4 ; 188.93,87.4 188.07,87.4 ; 188.93,87.4 188.07,87.4 ; 188.07,87.4 187.14,86.47 ; 188.07,87.4 187.14,86.47 ; 187.14,86.47 183.66,86.47 ; 187.14,86.47 183.66,86.47 ; 183.66,86.47 v1(182.95,86.47) 183.66,86.47 ; 168.9,86.8 v1(166,86.8) 168.9,86.8 ; 168.9,86.8 169.2,86.8 ; 168.9,86.8 169.2,86.8 ; 176.82,87.48 v1(176.82,86.77) 176.82,87.48 ; 176.82,87.48 175.9,88.4 ; 176.82,87.48 175.9,88.4 ; 170.8,88.4 169.2,86.8 ; 170.8,88.4 175.9,88.4 ; 170.8,88.4 169.2,86.8 ; 170.8,88.4 175.9,88.4 ; 194.52,67.88 v1(195.02,68.38) 194.52,67.88 ; 194.52,67.88 190.52,67.88 ; 194.52,67.88 190.52,67.88 ; 190.52,67.88 189.44,68.96 ; 190.52,67.88 189.44,68.96 ; 189.44,68.96 189.44,69.89 ; 189.44,68.96 189.44,69.89 ; 189.44,69.89 188.93,70.4 ; 189.44,69.89 188.93,70.4 ; 188.93,70.4 188.07,70.4 ; 188.93,70.4 188.07,70.4 ; 188.07,70.4 187.14,69.47 ; 188.07,70.4 187.14,69.47 ; 187.14,69.47 183.66,69.47 ; 187.14,69.47 183.66,69.47 ; 183.66,69.47 v1(182.95,69.47) 183.66,69.47 ; 168.9,69.8 v1(166,69.8) 168.9,69.8 ; 168.9,69.8 169.2,69.8 ; 168.9,69.8 169.2,69.8 ; 176.82,70.48 v1(176.82,69.77) 176.82,70.48 ; 176.82,70.48 175.9,71.4 ; 176.82,70.48 175.9,71.4 ; 170.8,71.4 169.2,69.8 ; 170.8,71.4 175.9,71.4 ; 170.8,71.4 169.2,69.8 ; 170.8,71.4 175.9,71.4 ; 176.82,61.98 175.9,62.9 ; 176.82,61.98 v1(176.82,61.27) 176.82,61.98 ; 176.82,61.98 175.9,62.9 ; 175.9,62.9 170.8,62.9 ; 175.9,62.9 170.8,62.9 ; 170.8,62.9 169.2,61.3 ; 170.8,62.9 169.2,61.3 ; 169.2,61.3 168.9,61.3 ; 169.2,61.3 168.9,61.3 ; 168.9,61.3 v1(166,61.3) 168.9,61.3 ; 183.66,60.97 v1(182.95,60.97) 183.66,60.97 ; 183.66,60.97 187.14,60.97 ; 183.66,60.97 187.14,60.97 ; 187.14,60.97 188.07,61.9 ; 187.14,60.97 188.07,61.9 ; 188.07,61.9 188.93,61.9 ; 188.07,61.9 188.93,61.9 ; 189.44,61.39 188.93,61.9 ; 189.44,61.39 189.44,60.46 ; 189.44,61.39 188.93,61.9 ; 189.44,61.39 189.44,60.46 ; 189.44,60.46 190.52,59.38 ; 189.44,60.46 190.52,59.38 ; 194.52,59.38 190.52,59.38 ; 194.52,59.38 v1(195.02,59.88) 194.52,59.38 ; 194.52,59.38 190.52,59.38 ; 176.82,44.98 175.9,45.9 ; 176.82,44.98 v1(176.82,44.27) 176.82,44.98 ; 176.82,44.98 175.9,45.9 ; 175.9,45.9 170.8,45.9 ; 175.9,45.9 170.8,45.9 ; 170.8,45.9 169.2,44.3 ; 170.8,45.9 169.2,44.3 ; 169.2,44.3 168.9,44.3 ; 169.2,44.3 168.9,44.3 ; 168.9,44.3 v1(166,44.3) 168.9,44.3 ; 183.66,43.97 v1(182.95,43.97) 183.66,43.97 ; 183.66,43.97 187.14,43.97 ; 183.66,43.97 187.14,43.97 ; 187.14,43.97 188.07,44.9 ; 187.14,43.97 188.07,44.9 ; 188.07,44.9 188.93,44.9 ; 188.07,44.9 188.93,44.9 ; 189.44,44.39 188.93,44.9 ; 189.44,44.39 189.44,43.46 ; 189.44,44.39 188.93,44.9 ; 189.44,44.39 189.44,43.46 ; 189.44,43.46 190.52,42.38 ; 189.44,43.46 190.52,42.38 ; 194.52,42.38 190.52,42.38 ; 194.52,42.38 v1(195.02,42.88) 194.52,42.38 ; 194.52,42.38 190.52,42.38 ; 194.52,50.88 v1(195.02,51.38) 194.52,50.88 ; 194.52,50.88 190.52,50.88 ; 194.52,50.88 190.52,50.88 ; 190.52,50.88 189.44,51.96 ; 190.52,50.88 189.44,51.96 ; 189.44,51.96 189.44,52.89 ; 189.44,51.96 189.44,52.89 ; 189.44,52.89 188.93,53.4 ; 189.44,52.89 188.93,53.4 ; 188.93,53.4 188.07,53.4 ; 188.93,53.4 188.07,53.4 ; 188.07,53.4 187.14,52.47 ; 188.07,53.4 187.14,52.47 ; 187.14,52.47 183.66,52.47 ; 187.14,52.47 183.66,52.47 ; 183.66,52.47 v1(182.95,52.47) 183.66,52.47 ; 168.9,52.8 v1(166,52.8) 168.9,52.8 ; 168.9,52.8 169.2,52.8 ; 168.9,52.8 169.2,52.8 ; 176.82,53.48 v1(176.82,52.77) 176.82,53.48 ; 176.82,53.48 175.9,54.4 ; 176.82,53.48 175.9,54.4 ; 170.8,54.4 169.2,52.8 ; 170.8,54.4 175.9,54.4 ; 170.8,54.4 169.2,52.8 ; 170.8,54.4 175.9,54.4 ; 183.66,26.97 v1(182.95,26.97) 183.66,26.97 ; 183.66,26.97 187.14,26.97 ; 183.66,26.97 187.14,26.97 ; 187.14,26.97 188.07,27.9 ; 187.14,26.97 188.07,27.9 ; 188.07,27.9 188.93,27.9 ; 188.07,27.9 188.93,27.9 ; 189.44,27.39 188.93,27.9 ; 189.44,27.39 189.44,26.46 ; 189.44,27.39 188.93,27.9 ; 189.44,27.39 189.44,26.46 ; 189.44,26.46 190.52,25.38 ; 189.44,26.46 190.52,25.38 ; 194.52,25.38 190.52,25.38 ; 194.52,25.38 v1(195.02,25.88) 194.52,25.38 ; 194.52,25.38 190.52,25.38 ; 176.82,27.98 175.9,28.9 ; 176.82,27.98 v1(176.82,27.27) 176.82,27.98 ; 176.82,27.98 175.9,28.9 ; 175.9,28.9 170.8,28.9 ; 175.9,28.9 170.8,28.9 ; 170.8,28.9 169.2,27.3 ; 170.8,28.9 169.2,27.3 ; 169.2,27.3 168.9,27.3 ; 169.2,27.3 168.9,27.3 ; 168.9,27.3 v1(166,27.3) 168.9,27.3 ; 170.8,37.4 169.2,35.8 ; 170.8,37.4 175.9,37.4 ; 170.8,37.4 169.2,35.8 ; 170.8,37.4 175.9,37.4 ; 169.2,35.8 168.9,35.8 ; 169.2,35.8 168.9,35.8 ; 168.9,35.8 v1(166,35.8) 168.9,35.8 ; 175.9,37.4 176.82,36.48 ; 175.9,37.4 176.82,36.48 ; 176.82,36.48 v1(176.82,35.77) 176.82,36.48 ; 190.52,33.88 189.44,34.96 ; 190.52,33.88 194.52,33.88 ; 190.52,33.88 189.44,34.96 ; 190.52,33.88 194.52,33.88 ; 189.44,34.96 189.44,35.89 ; 189.44,34.96 189.44,35.89 ; 194.52,33.88 v1(195.02,34.38) 194.52,33.88 ; 189.44,35.89 188.93,36.4 ; 189.44,35.89 188.93,36.4 ; 188.93,36.4 188.07,36.4 ; 188.93,36.4 188.07,36.4 ; 188.07,36.4 187.14,35.47 ; 188.07,36.4 187.14,35.47 ; 187.14,35.47 183.66,35.47 ; 187.14,35.47 183.66,35.47 ; 183.66,35.47 v1(182.95,35.47) 183.66,35.47 ; 183.66,9.97 v1(182.95,9.97) 183.66,9.97 ; 183.66,9.97 187.14,9.97 ; 183.66,9.97 187.14,9.97 ; 187.14,9.97 188.07,10.9 ; 187.14,9.97 188.07,10.9 ; 188.07,10.9 188.93,10.9 ; 188.07,10.9 188.93,10.9 ; 189.44,10.39 188.93,10.9 ; 189.44,10.39 189.44,9.46 ; 189.44,10.39 188.93,10.9 ; 189.44,10.39 189.44,9.46 ; 189.44,9.46 190.52,8.38 ; 189.44,9.46 190.52,8.38 ; 194.52,8.38 190.52,8.38 ; 194.52,8.38 v1(195.02,8.88) 194.52,8.38 ; 194.52,8.38 190.52,8.38 ; 194.52,16.88 v1(195.02,17.38) 194.52,16.88 ; 194.52,16.88 190.52,16.88 ; 194.52,16.88 190.52,16.88 ; 190.52,16.88 189.44,17.96 ; 190.52,16.88 189.44,17.96 ; 189.44,17.96 189.44,18.89 ; 189.44,17.96 189.44,18.89 ; 189.44,18.89 188.93,19.4 ; 189.44,18.89 188.93,19.4 ; 188.93,19.4 188.07,19.4 ; 188.93,19.4 188.07,19.4 ; 188.07,19.4 187.14,18.47 ; 188.07,19.4 187.14,18.47 ; 187.14,18.47 183.66,18.47 ; 187.14,18.47 183.66,18.47 ; 183.66,18.47 v1(182.95,18.47) 183.66,18.47 ; 168.9,18.8 v1(166,18.8) 168.9,18.8 ; 168.9,18.8 169.2,18.8 ; 168.9,18.8 169.2,18.8 ; 176.82,19.48 v1(176.82,18.77) 176.82,19.48 ; 176.82,19.48 175.9,20.4 ; 176.82,19.48 175.9,20.4 ; 170.8,20.4 169.2,18.8 ; 170.8,20.4 175.9,20.4 ; 170.8,20.4 169.2,18.8 ; 170.8,20.4 175.9,20.4 ; 176.82,10.98 175.9,11.9 ; 176.82,10.98 v1(176.82,10.27) 176.82,10.98 ; 176.82,10.98 175.9,11.9 ; 175.9,11.9 170.8,11.9 ; 175.9,11.9 170.8,11.9 ; 170.8,11.9 169.2,10.3 ; 170.8,11.9 169.2,10.3 ; 169.2,10.3 168.9,10.3 ; 169.2,10.3 168.9,10.3 ; 168.9,10.3 v1(166,10.3) 168.9,10.3